# Altium PCB MainMaster.PcbDoc (part 2 of 2)
Units mil, origin at the board's own origin, x right, y up, seen from the top; angles counter-clockwise.
Board outline 4724.41 x 4724.41 mil, 4 copper layers (Top Layer, VDD, GND, Bottom Layer), stack 59.318 mil thick; 185 components, 155 nets, 787 pads, 462 vias.
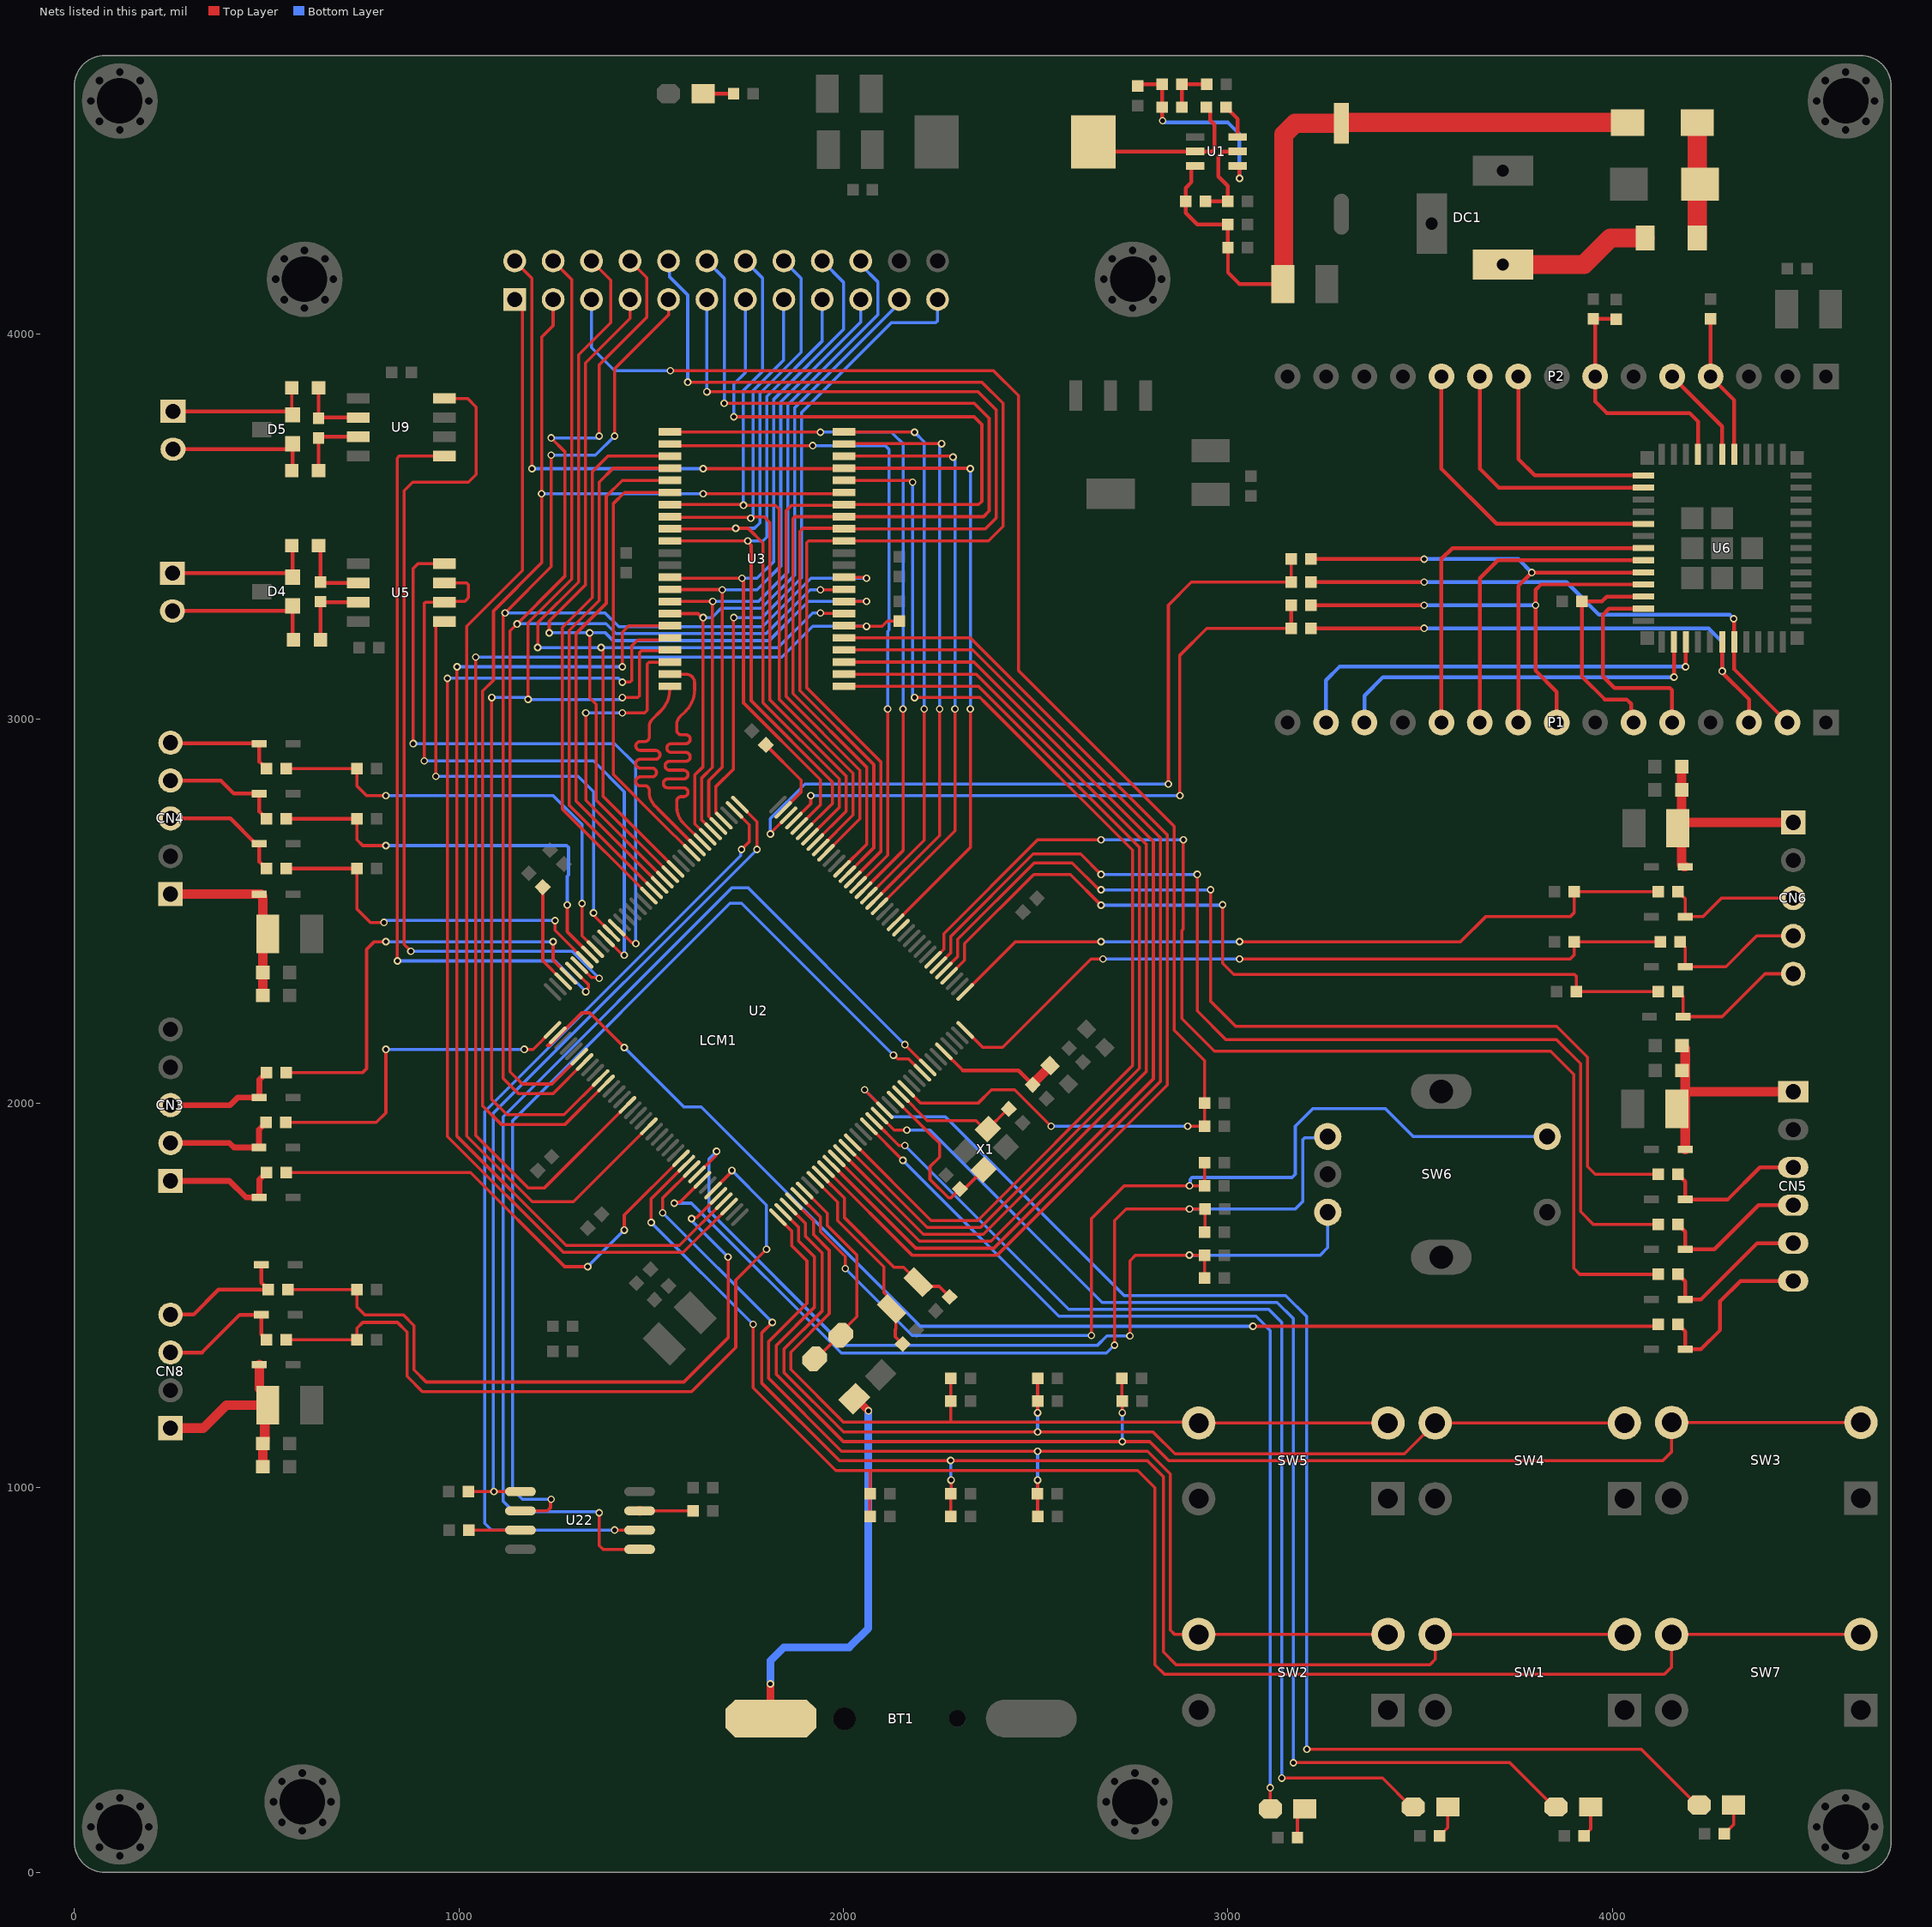
[diagram p4: the nets of this part, all layers, seen from the top]

## Via types
v1: diameter 19.68, hole 11.81, Top Layer to Bottom Layer, tented both sides, 462 vias

## Nets (pads, with @x,y where several pads share a name; then routed paths per layer and width w, separated by ;. In a path a pad name is that pad's centre, name@x,y a point inside that pad or via, vN(x,y) a via of type N, cw(c..) or ccw(c..) an arc to the next point about the centre after c; other vN are vias at no path point) (continued)
EN: C39.2 P2.7 R14.1 U6.8 | length 650.8
  Top Layer w10: C39.2@4010,4038.82 4009.41,4039.41 R14.1@3950,4039.41 3955,4034.41 P2.7@3955,3890 3955,3825 3985,3795 4200,3795 4222.29,3772.71 U6.8@4222.29,3687.59
FSMC_A0: U2.10 U3.5 | length 2866.9
  Top Layer w8: U2.10@1954.69,1828.68 2178.37,1605 2400,1605 2842,2047 2842,2698 2329.72,3210.28 U3.5@2001.38,3210.28
FSMC_A1: U2.11 U3.4 | length 2785.2
  Top Layer w8: U2.11@1968.61,1842.6 2188.21,1623 2391.13,1623 2824,2055.87 2824,2690.54 2335.76,3178.78 U3.4@2001.38,3178.78
FSMC_A2: U2.12 U3.3 | length 2702.7
  Top Layer w8: U2.12@1982.53,1856.52 2198.05,1641 2383.67,1641 2806,2063.33 2806,2680.37 2339.08,3147.28 U3.3@2001.38,3147.28
FSMC_A3: U2.13 U3.2 | length 2614.7
  Top Layer w8: U2.13@1996.45,1870.44 2207.89,1659 2364,1659 2788,2083 2788,2672.91 2345.12,3115.79 U3.2@2001.38,3115.79
FSMC_A4: U2.14 U3.1 | length 2533.9
  Top Layer w8: U3.1@2001.38,3084.29 2351.16,3084.29 2770,2665.46 2770,2090.46 2356.54,1677 2217.73,1677 U2.14@2010.37,1884.36
FSMC_A5: U2.15 U3.18 | length 3013
  Top Layer w8: U3.18@2001.38,3619.72 2175.28,3619.72 v1(2180,3615) ; U2.15@2024.29,1898.28 2024.78,1898.28 2228.06,1695 2349.09,1695 2752,2097.91 2752,2658 2370,3040 2355,3055 v1(2185,3055)
  Bottom Layer w8: v1(2180,3615) 2180,3060 v1(2185,3055)
FSMC_A6: LCM1.2 U2.50 U3.19 | length 2959.8
  Top Layer w8: LCM1.2@1145,4190 1190,4145 v1(1190,3650) ; v1(1635,3650) 2000.16,3650 U3.19@2001.38,3651.22 2328.78,3651.22 v1(2330,3650) ; U2.50@2135.64,2470.37 2330,2664.73 v1(2330,3025)
  Bottom Layer w8: v1(1190,3650) v1(1635,3650) ; v1(2330,3025) v1(2330,3650)
FSMC_A7: U2.53 U3.20 | length 1535.9
  Top Layer w8: U3.20@2001.38,3682.72 2282.28,3682.72 v1(2285,3680) ; U2.53@2093.88,2512.12 2290,2708.24 v1(2290,3025)
  Bottom Layer w8: v1(2285,3680) 2285,3676.84 2290,3671.84 v1(2290,3025)
FSMC_A8: U2.54 U3.21 | length 1515.4
  Top Layer w8: U3.21@2001.38,3714.21 2002.17,3715 v1(2255,3715) ; U2.54@2079.96,2526.04 2250,2696.08 v1(2250,3025)
  Bottom Layer w8: v1(2250,3025) 2250,3710 v1(2255,3715)
FSMC_A9: U2.55 U3.22 | length 1460.8
  Top Layer w8: U3.22@2001.38,3745.71 2004.38,3742.71 2006.67,3745 v1(2185,3745) ; U2.55@2066.04,2539.96 2210,2683.92 v1(2210,3025)
  Bottom Layer w8: v1(2185,3745) 2210,3720 v1(2210,3025)
FSMC_A10: U2.56 U3.23 | length 1822.8
  Top Layer w8: U3.23@1548.62,3745.71 1939.29,3745.71 v1(1940,3745) ; U2.56@2052.12,2553.88 2155,2656.76 v1(2155,3025)
  Bottom Layer w8: v1(1940,3745) 2125,3745 2130,3740 2155,3715 v1(2155,3025)
FSMC_A11: U2.57 U3.24 | length 1741.8
  Top Layer w8: U3.24@1548.62,3714.21 1552.83,3710 v1(1920,3710) ; U2.57@2038.21,2567.8 2115,2644.6 v1(2115,3025)
  Bottom Layer w8: v1(1920,3710) 2108.97,3710 2118.84,3700.13 2118.84,3230.94 2115,3227.1 v1(2115,3025)
FSMC_A12: U2.87 U3.42 | length 862.4
  Top Layer w8: v1(1330,3015) 1330,2787.44 U2.87@1535.71,2581.72 ; v1(1425,3015) 1483.31,3015 1490,3021.69 1490,3141.95 1494.69,3146.64 1547.98,3146.64 U3.42@1548.62,3147.28
  Bottom Layer w8: v1(1330,3015) v1(1425,3015)
FSMC_A13: U2.88 U3.27 | length 1315.2
  Top Layer w8: U2.88@1521.79,2567.8 1521.79,2568.3 1305,2785.1 1305,3221.88 1383.16,3300.03 1383.16,3578.16 1424.72,3619.72 U3.27@1548.62,3619.72
FSMC_A14: U2.89 U3.26 | length 1383.5
  Top Layer w8: U2.89@1507.88,2553.88 1287,2774.76 1287,3229.33 1365.16,3307.49 1365.16,3615.16 1401.22,3651.22 U3.26@1548.62,3651.22
FSMC_A15: U2.90 U3.25 | length 1446
  Top Layer w8: U2.90@1493.96,2539.96 1269,2764.92 1269,3236.79 1347.16,3314.94 1347.16,3642.16 1387.72,3682.72 U3.25@1548.62,3682.72
FSMC_A16: U2.80 U3.43 | length 898.8
  Top Layer w8: U3.43@1548.62,3115.79 1590.66,3115.79 cw(c1590.66,3093.45) 1613,3093.45 1613,3075.79 cw(c1533.83,3075.79) 1589.81,3019.81 1574.75,3004.75 ccw(c1594.39,2985.12) 1566.62,2985.12 1566.62,2973.62 1566.62,2969.62 ccw(c1578.12,2969.62) 1578.12,2958.12 1590.12,2958.12 cw(c1590.12,2946.62) 1590.12,2935.12 1552.35,2935.12 ccw(c1552.35,2923.62) 1552.35,2912.12 1590.12,2912.12 cw(c1590.12,2900.62) 1590.12,2889.12 1547.69,2889.12 ccw(c1547.69,2877.62) 1547.69,2866.12 1584.23,2866.12 cw(c1584.23,2854.62) 1584.23,2843.12 1543.12,2843.12 ccw(c1543.12,2831.62) 1543.12,2820.12 1584.23,2820.12 cw(c1584.23,2808.62) 1584.23,2797.12 1578.12,2797.12 ccw(c1578.12,2785.62) 1566.62,2785.62 1566.62,2777.81 ; U2.80@1633.15,2679.16 1583.62,2728.69 cw(c1624.77,2769.77) 1566.62,2769.77 1566.62,2770 ; 1566.62,2770 1566.62,2777.81 ; 1566.62,2770 1566.62,2777.81
FSMC_A17: U2.81 U3.44 | length 746
  Top Layer w8: 1510.57,2772.37 cw(c1548.25,2810) 1495,2810 1495,2814 ccw(c1483.5,2814) 1483.5,2825.5 1471.5,2825.5 cw(c1471.5,2837) 1471.5,2848.5 1502.12,2848.5 ccw(c1502.12,2860) 1502.12,2871.5 1471.5,2871.5 cw(c1471.5,2883) 1471.5,2894.5 1511.4,2894.5 ccw(c1511.4,2906) 1511.4,2917.5 1471.5,2917.5 cw(c1471.5,2929) 1471.5,2940.5 1483.5,2940.5 ccw(c1483.5,2952) 1495,2952 1495,2980 cw(c1519.14,2980) 1502.07,2997.07 1525,3020 ccw(c1467.97,3077.03) 1548.62,3077.03 U3.44@1548.62,3084.29 ; U2.81@1619.23,2665.24 1618.03,2665.24 1611.18,2672.08 1610.86,2672.08 1521.47,2761.47 ; 1521.47,2761.47 1510.6,2772.35 1521.47,2761.47
FSMC_A18: U2.82 U3.28 | length 1151.6
  Top Layer w8: U3.28@1548.62,3588.23 1430.75,3588.23 1401.16,3558.63 1401.16,2855.47 1516.75,2739.88 U2.82@1605.31,2651.32
FSMC_D0: LCM1.6 U2.85 U3.7 | length 2594.4
  Top Layer w8: v1(1205,3185) 1205,3249.09 1311.16,3355.25 1311.16,3945.95 1395,4029.79 1395,4140 LCM1.6@1345,4190 ; v1(1370,3185) 1375,3180 1375,2798.11 U2.85@1563.55,2609.56 ; v1(1940,3275) 1941.53,3273.47 2001.17,3273.47 U3.7@2001.38,3273.27
  Bottom Layer w8: v1(1205,3185) v1(1370,3185) 1830,3185 1920,3275 v1(1940,3275)
FSMC_D1: LCM1.7 U2.86 U3.8 | length 2604.7
  Top Layer w8: v1(1235,3223.16) 1235,3253.63 1329.16,3347.79 1329.16,3925.07 1445,4040.91 LCM1.7@1445,4090 ; v1(1340,3223.16) 1340,3054.4 1357,3037.4 1357,2788.27 U2.86@1549.63,2595.64 ; U3.8@2001.38,3304.76 2000.24,3304.76 2000,3305 v1(2060,3305)
  Bottom Layer w8: v1(1235,3223.16) v1(1340,3223.16) ; v1@1340.92,3224.08 1341.84,3223.16 1380.93,3223.16 1401.09,3203 1806.75,3203 1908.75,3305 v1(2060,3305)
FSMC_D2: LCM1.8 U2.114 U3.9 | length 3680.9
  Top Layer w8: v1(1151.12,3246.12) 1275.16,3370.16 ; v1(1240,3730) 1275.16,3694.84 1275.16,3370.16 ; U2.114@1313,2120.99 1242.01,2050 1165,2050 1133,2082 1133,3228 1275.16,3370.16 ; v1(1365,3735) 1365,3920 1488.53,4043.53 1488.53,4146.47 LCM1.8@1445,4190 ; v1(1940,3335) 1940.2,3334.8 2001.38,3334.8 U3.9@2001.38,3336.26
  Bottom Layer w8: v1(1151.12,3246.12) 1152,3247 1382.54,3247 1408.54,3221 1799.3,3221 1913.3,3335 v1(1940,3335) ; v1(1240,3730) 1360,3730 v1(1365,3735)
FSMC_D3: LCM1.9 U2.115 U3.10 | length 3600
  Top Layer w8: v1(1240,3685) 1240,3395 v1(1120,3275) 1120,3271.84 1115,3266.84 1115,2064.69 1154.69,2025 1244.85,2025 U2.115@1326.92,2107.07 ; v1(1405,3735) 1405,3910 1545,4050 LCM1.9@1545,4090 ; U3.10@2001.38,3367.76 2057.24,3367.76 v1(2060,3365)
  Bottom Layer w8: v1(1120,3275) 1380,3275 1416,3239 1789.46,3239 1915.46,3365 v1(2060,3365) ; v1(1240,3685) 1355,3685 v1(1405,3735)
FSMC_D4: LCM1.10 U2.58 U3.13 | length 3012
  Top Layer w8: v1(1595,3875) 2360,3875 2415,3820 2415,3500 2377.24,3462.24 U3.13@2001.38,3462.24 1909.37,3462.24 1904.69,3457.56 1904.69,3080.31 2097,2888 2097,2654.44 U2.58@2024.29,2581.72
  Bottom Layer w8: LCM1.10@1545,4190 1548.08,4186.92 1548.08,4148.47 1595,4101.56 v1(1595,3875)
FSMC_D5: LCM1.11 U2.59 U3.14 | length 2817.6
  Top Layer w8: v1(1645,3850) 2350,3850 2397,3803 2397,3522 2368.74,3493.74 U3.14@2001.38,3493.74 2000.12,3495 1895,3495 1886.69,3486.69 1886.69,3072.86 2079,2880.54 2079,2664.27 U2.59@2010.37,2595.64
  Bottom Layer w8: v1(1645,3850) LCM1.11@1645,4090
FSMC_D6: LCM1.12 U2.60 U3.15 | length 2870.6
  Top Layer w8: v1(1690,3820) 2340,3820 2379,3781 2379,3539.91 2364.32,3525.24 U3.15@2001.38,3525.24 1873.37,3525.24 1868.69,3520.55 1868.69,3065.4 2061,2873.09 2061,2674.11 U2.60@1996.45,2609.56
  Bottom Layer w8: LCM1.12@1645,4190 1690,4145 v1(1690,3820)
FSMC_D7: LCM1.13 U2.63 U3.16 | length 2695.7
  Top Layer w8: v1(1715,3785) 2340,3785 2360,3765 2360,3565 2351.73,3556.73 U3.16@2001.38,3556.73 1999.65,3555 1865,3555 1850.69,3540.69 1850.69,3057.95 2043,2865.63 2043,2739.63 U2.63@1954.69,2651.32
  Bottom Layer w8: v1(1715,3785) 1715,3870 1745,3900 LCM1.13@1745,4090
FSMC_D8: LCM1.14 U2.64 U3.29 | length 1958.8
  Top Layer w8: U3.29@1548.62,3556.73 1738.27,3556.73 v1(1740,3555) 1823.31,3555 1832.69,3545.63 1832.69,3050.49 2025,2858.18 2025,2749.47 U2.64@1940.77,2665.24
  Bottom Layer w8: v1(1740,3555) 1739,3556 1739,3852.65 1790,3903.65 1790,4145 LCM1.14@1745,4190
FSMC_D9: LCM1.15 U2.65 U3.30 | length 1819
  Top Layer w8: U3.30@1548.62,3525.24 1550.54,3523.31 1757.24,3523.31 v1(1759.16,3521.39) ; v1@1759.16,3525 1765,3525 1793.84,3525 1808.84,3510 1808.84,3048.88 2007,2850.72 2007,2759.31 U2.65@1926.85,2679.16
  Bottom Layer w8: v1(1759.16,3521.39) 1760.31,3521.39 1765,3526.08 1765,3853.19 1844,3932.19 1844,4089 LCM1.15@1845,4090
FSMC_D10: LCM1.16 U2.66 U3.31 | length 1948.3
  Top Layer w8: U3.31@1548.62,3493.74 1720,3493.74 1721.26,3495 1752.35,3495 1790.84,3456.51 1790.84,3041.42 1989,2843.27 1989,2769.15 U2.66@1912.93,2693.08
  Bottom Layer w8: v1(1720,3495) 1768.72,3495 1783,3509.28 1783,3845.73 1890,3952.73 1890,4145 LCM1.16@1845,4190
FSMC_D11: LCM1.17 U2.67 U3.32 | length 1809.9
  Top Layer w8: U3.32@1548.62,3462.24 v1(1751.39,3462.24) 1751.39,3459.08 1760,3450.47 1760,3046.81 1971,2835.81 1971,2778.99 U2.67@1899.01,2707
  Bottom Layer w8: v1(1751.39,3462.24) 1790.96,3462.24 1801,3472.28 1801,3838.28 1945,3982.28 LCM1.17@1945,4090
FSMC_D12: LCM1.18 U2.68 U3.35 | length 1917.8
  Top Layer w8: U3.35@1548.62,3367.76 1550.87,3370 1555.87,3365 v1(1736.16,3365) ; v1@1736.11,3361.11 1740,3357.23 1740,3041.35 1940,2841.35 1940,2775.82 U2.68@1885.09,2720.92
  Bottom Layer w8: v1(1736.16,3365) 1775,3365 1819,3409 1819,3830.82 2000,4011.82 2000,4135 LCM1.18@1945,4190
FSMC_D13: LCM1.19 U2.77 U3.36 | length 1736.2
  Top Layer w8: U3.36@1548.62,3336.26 1549.2,3335.68 v1@1679.6,3335.68 ; U2.77@1674.91,2720.92 1674.91,2722.12 1670.85,2726.18 1670.15,2726.18 1649.73,2746.59 1649.73,2838.82 1685,2874.09 1685,3330 1682.82,3332.18 1682.82,3332.46 v1@1679.6,3335.68 ; v1(1685,3335) 1684.32,3335.68 v1@1679.6,3335.68
  Bottom Layer w8: v1(1685,3335) 1775,3335 1837,3397 1837,3823.37 2045,4031.37 LCM1.19@2045,4090
FSMC_D14: LCM1.20 U2.78 U3.37 | length 1884.8
  Top Layer w8: U3.37@1548.62,3304.76 1548.86,3305 v1(1660,3305) 1658.84,3303.84 1658.84,2873.39 1631.73,2846.27 1631.73,2736.26 U2.78@1660.99,2707
  Bottom Layer w8: v1(1660,3305) 1779.09,3305 1855,3380.91 1855,3815.91 2090,4050.91 2090,4135 2045,4180 LCM1.20@2045,4190
FSMC_D15: LCM1.21 U2.79 U3.38 | length 1795.3
  Top Layer w8: U3.38@1548.62,3273.27 1621.73,3273.27 1632.16,3262.84 v1(1635,3262.84) ; v1@1633.58,3261.42 1635,3260 1635,2875 1613.73,2853.73 1613.73,2726.42 U2.79@1647.07,2693.08
  Bottom Layer w8: v1(1635,3262.84) 1657.84,3262.84 1682,3287 1786.54,3287 1873,3373.46 1873,3808.46 2145,4080.46 LCM1.21@2145,4090
FSMC_NBL0: U2.141 U3.39 | length 2730.7
  Top Layer w8: v1(995,3135) 995,1914.09 1279.09,1630 1573.66,1630 U2.141@1688.83,1745.16 ; v1(1425,3135) 1425,3225 1441.77,3241.77 U3.39@1548.62,3241.77
  Bottom Layer w8: v1(995,3135) v1(1425,3135)
FSMC_NBL1: U2.142 U3.40 | length 2781.9
  Top Layer w8: v1(970,3105) 970,1913.63 1271.63,1612 1583.5,1612 U2.142@1702.75,1731.24 ; v1(1425,3095) 1445.31,3095 1450,3099.69 1450,3190 1464.86,3204.86 1543.2,3204.86 U3.40@1548.62,3210.28
  Bottom Layer w8: v1(970,3105) 1415,3105 v1(1425,3095)
FSMC_NE1: R3.1 U2.123 U3.6 | length 2985.7
  Top Layer w8: v1(1043.84,3160) 1043.84,1916.16 1180,1780 1222.56,1780 U2.123@1438.28,1995.71 ; U3.6@2002.99,3243.39 U3.6@2001.38,3241.77 2003.15,3240 v1(2060,3240) 2100.31,3240 2105,3244.69 2114.13,3253.82 R3.1@2145,3253.82
  Bottom Layer w8: v1(1043.84,3160) 1840,3160 1920,3240 v1(2060,3240)
FSMC_NE4: LCM1.1 U2.127 | length 2869.6
  Top Layer w8: LCM1.1@1145,4090 1165,4070 1165,3385 1020,3240 1020,1914.54 1190.51,1744.03 1297.95,1744.03 U2.127@1493.96,1940.04
FSMC_NOE: LCM1.4 U2.118 U3.41 | length 3175.8
  Top Layer w8: v1(1085.68,3055) 1085,3054.32 1085,2010 1125,1970 1273.37,1970 U2.118@1368.68,2065.31 ; v1(1180,3050) 1180,3249.54 1293.16,3362.7 1293.16,4141.84 LCM1.4@1245,4190 ; v1(1425,3055) 1465,3055 1470,3060 1470,3172.09 1474.69,3176.78 1546.62,3176.78 U3.41@1548.62,3178.78
  Bottom Layer w8: v1(1085.68,3055) 1171.84,3055 1176.84,3050 1420,3050 v1(1425,3055)
FSMC_NWE: LCM1.3 U2.119 U3.17 | length 3345.2
  Top Layer w8: LCM1.3@1245,4090 1245,4021.82 1215,3991.82 v1(1215,3585) 1215,3405 1090,3280 1090,3100 1061.84,3071.84 1061.84,1993.16 1110,1945 1276.21,1945 U2.119@1382.6,2051.39 ; v1(1635,3585) 1998.15,3585 U3.17@2001.38,3588.23
  Bottom Layer w8: v1(1215,3585) v1(1635,3585)
IO0: P2.9 U6.12 | length 558.2
  Top Layer w10: P2.9@3755,3890 3755,3675 3797.52,3632.48 U6.12@4080.56,3632.48
IO1: P2.10 U6.13 | length 685.9
  Top Layer w10: P2.10@3655,3890 3655,3650 3704.02,3600.98 U6.13@4080.56,3600.98
IO2: P2.4 R12.1 U6.5 | length 377.4
  Top Layer w10: R12.1@4255,4039.41 P2.4@4255,3890 4316.78,3828.22 U6.5@4316.78,3687.59
IO3: P2.5 U6.6 | length 259.3
  Top Layer w10: P2.5@4155,3890 4155,3885 4160,3885 4285.28,3759.72 U6.6@4285.28,3687.59
IO4: P1.11 U6.18 | length 962.4
  Top Layer w10: P1.11@3555,2990 3555,3415 3583.5,3443.5 U6.18@4080.56,3443.5
IO5: P1.10 U6.19 | length 828.3
  Top Layer w10: P1.10@3655,2990 3665,3000 3655,3010 3655,3365 3702,3412 U6.19@4080.56,3412
IO6: P1.9 R18.1 U6.20 | length 1273.5
  Top Layer w10: R18.1@3215.59,3415 v1(3510,3415) ; P1.9@3755,2990 3755,3345 v1(3790,3380) U6.20@4070.05,3380
  Bottom Layer w10: v1(3510,3415) 3755,3415 v1(3790,3380)
IO7: P1.8 R22.1 U6.21 | length 1238.6
  Top Layer w10: R22.1@3215.59,3295 v1(3510,3295) ; P1.8@3855,2990 3855,3070 3800,3125 v1(3800,3295) 3800,3335 3814.01,3349.01 U6.21@4080.56,3349.01
  Bottom Layer w10: v1(3510,3295) v1(3800,3295)
IO8: P1.6 R17.2 U6.22 | length 569.1
  Top Layer w10: P1.6@4055,2990 4048.36,2996.64 4048.36,3038.46 4036.82,3050 3980,3050 3920.59,3109.41 R17.2@3920.59,3305 3972.48,3305 3985,3317.52 U6.22@4080.56,3317.52
IO9: P1.5 U6.23 | length 551.2
  Top Layer w10: U6.23@4080.56,3286.02 3991.02,3286.02 3975,3270 3975,3110 4005,3080 4149.14,3080 4155,3074.14 P1.5@4155,2990
IO10: P2.11 U6.16 | length 825
  Top Layer w10: P2.11@3555,3890 3555,3650 3698.51,3506.49 U6.16@4080.56,3506.49
IO18: P1.13 U6.26 | length 986.5
  Top Layer w10: U6.26@4159.3,3199.41 4160,3198.71 v1(4160,3108.1)
  Bottom Layer w10: P1.13@3355,2990 3355,3060 3403.1,3108.1 v1(4160,3108.1)
IO19: P1.14 U6.27 | length 1124.2
  Top Layer w10: v1(4190,3135) 4190.79,3135.79 U6.27@4190.79,3199.41
  Bottom Layer w10: P1.14@3255,2990 3255,3100 3290,3135 v1(4190,3135)
NetBT1_1: BT1.1 D2.2 | length 1055.7
  Top Layer w20: v1(1810,490) 1810,401.42 BT1.1@1811.42,400 ; D2.2@2028.28,1231.72 2033.28,1231.72 v1(2065,1200)
  Bottom Layer w20: v1(1810,490) 1810,550 1845,585 2015,585 2065,635 v1(2065,1200)
NetC3_1: C3.1 C4.2 C5.2 C17.2 D7.1 R2.2 U1.3 | length 1829.2
  Top Layer w10: U1.3@2914.88,4437.6 2909.84,4437.6 2905,4432.76 2905,4395 2890,4380 R2.2@2890,4345 2890,4315 2920,4285 C4.2@2999.41,4285 2999.41,4225.59 C5.2@3000,4225 3000,4160 3030,4130 C17.2@3142.91,4130
  Top Layer w50: C17.2@3142.91,4130 3145,4132.09 3145,4518.82 3174.29,4548.11 C3.1@3295,4548.11 ; C3.1@3300.31,4550 3671.4,4550 D7.1@4039.45,4550
NetC6_1: C6.1 U2.23 X1.3 | length 455.3
  Top Layer w8: U2.23@2135.64,2009.63 2225,1920.27 2250,1895.27 2250,1860 2225,1835 2225,1801.87 2273.22,1753.65 2279.85,1753.65 C6.1@2303.1,1776.9 2314.23,1776.9 X1.3@2364.43,1827.11
NetC7_1: C7.1 U2.24 X1.1 | length 339.6
  Top Layer w8: U2.24@2149.56,2023.55 2218.11,1955 2345,1955 2367.11,1932.89 X1.1@2375.57,1932.89 2422.67,1980 2427.67,1985 C7.1@2430,1985
NetC8_2: C8.2 U2.8 X2.1 | length 522.4
  Top Layer w8: U2.8@1926.85,1800.84 1985,1742.69 1985,1694.54 2105,1574.54 2105,1507.58 2125.2,1487.38 X2.1@2125.2,1465.2 2136.34,1454.07 2136.34,1413.2 2134.72,1411.58 2134.72,1392.9 C8.2@2153.81,1373.81
NetC9_2: C9.2 U2.9 X2.2 | length 497
  Top Layer w8: U2.9@1940.77,1814.76 2003,1752.53 2003,1702 2120.2,1584.8 2131.34,1573.66 2156.34,1573.66 2206.34,1523.66 2248.72,1523.66 C9.2@2276.19,1496.19
NetC10_2: C10.2 U2.106 | length 266.7
  Top Layer w8: C10.2@1218.09,2561.9 1218.09,2370.41 U2.106@1271.24,2317.25
NetC11_2: C11.2 U2.71 | length 226.6
  Top Layer w8: C11.2@1798.09,2931.9 1890,2840 1890,2809.34 U2.71@1843.33,2762.67
NetC33_1: C33.1 R4.1 R6.2 U1.4 | length 522.3
  Top Layer w10: R6.2@2766.18,4650 R4.1@2828.82,4650 C33.1@2828.82,4590 2828.82,4556.18 v1(2830,4555) ; U1.4@3025.16,4437.6 3030,4432.76 v1(3030,4405)
  Bottom Layer w10: v1(2830,4555) 2835,4550 3000,4550 3030,4520 v1(3030,4405)
NetC33_2: C33.2 R1.1 R4.2 | length 124.4
  Top Layer w10: C33.2@2880,4590 R4.2@2880,4650 R1.1@2944.41,4650
NetC44_2: C44.2 CN4.1 D8.1 U13.2 U16.2 | length 500.8
  Top Layer w25: CN4.1@250,2543.82 250.08,2543.74 480.92,2543.74 D8.1@481,2543.66 485.04,2543.66 490,2538.69 U13.2@490,2340 U16.2@490,2280